# Altium PCB PCB7b.PcbDoc (part 2 of 2)
Units mm, origin at the board's own origin, x right, y up, seen from the top; angles counter-clockwise.
Board outline 80 x 75 mm, 4 copper layers (Top Layer, Ground, Power, Bottom Layer), stack 0.603 mm thick; 87 components, 98 nets, 356 pads, 223 vias.
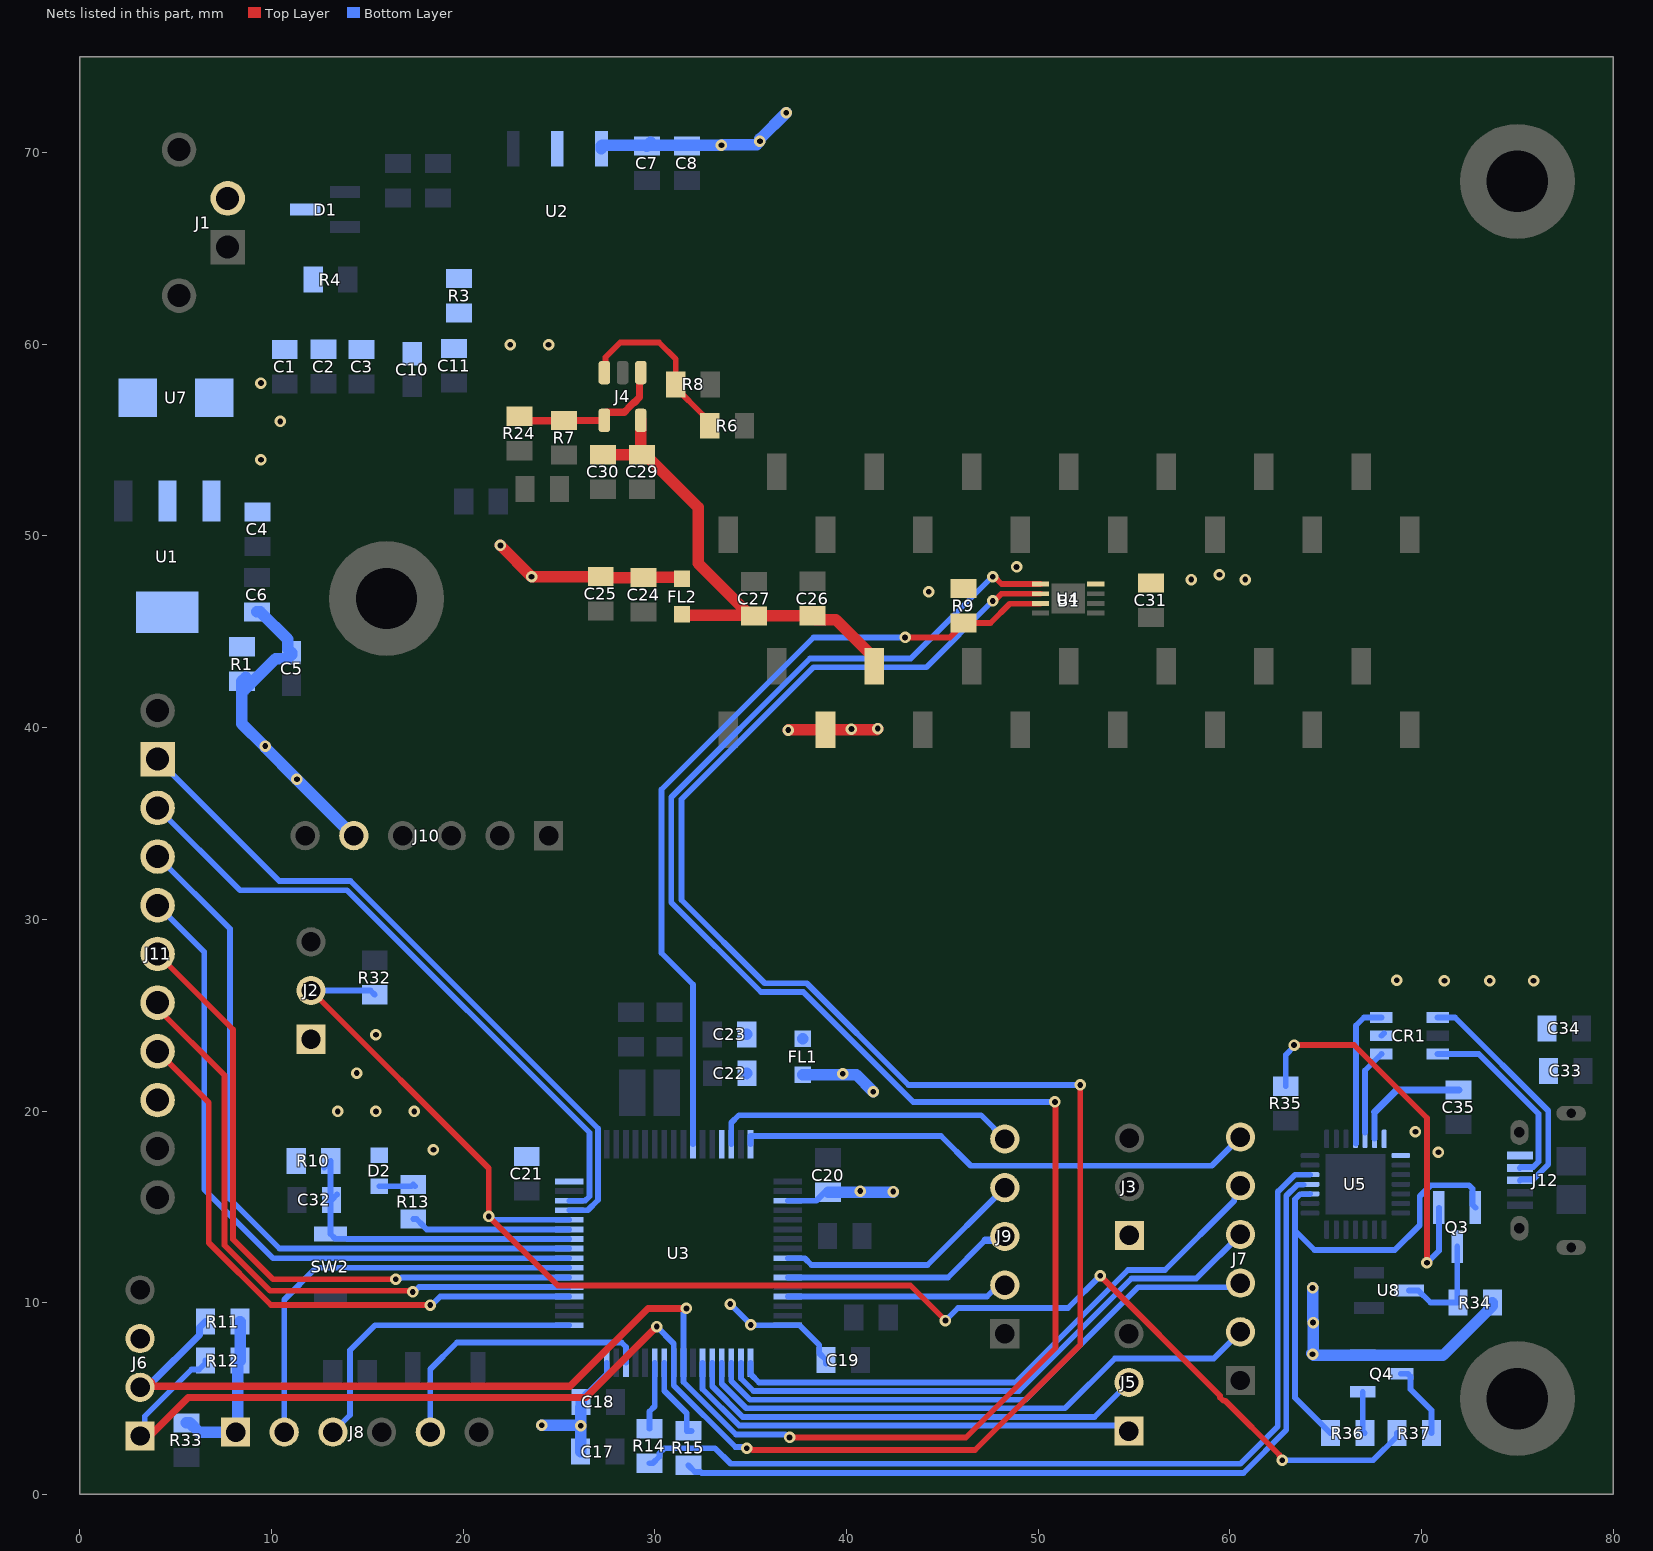
[diagram p4: the nets of this part, all layers, seen from the top]

## Via types
v1: diameter 0.6, hole 0.3, Top Layer to Bottom Layer, 223 vias

## Nets (pads, with @x,y where several pads share a name; then routed paths per layer and width w, separated by ;. In a path a pad name is that pad's centre, name@x,y a point inside that pad or via, vN(x,y) a via of type N, cw(c..) or ccw(c..) an arc to the next point about the centre after c; other vN are vias at no path point) (continued)
NetC32_1: C32.1 R10.1 SW2.2 U3.58 | length 17.3
  Bottom Layer w0.3: R10.1@12.751,17.058 R10.1@13.081,17.388 ; R10.1@13.092,17.399 R10.1@13.081,17.388 ; C32.1@13.132,15.356 C32.1@13.143,15.367 C32.1@13.426,15.65 ; U3.58@25.542,13.323 13.957,13.323 13.941,13.339 13.331,13.339 SW2.2@13.081,13.589 R10.1@13.081,17.388
NetC35_1: C35.1 U5.6 | length 6.3
  Bottom Layer w0.3: U5.6@67.551,18.55 67.551,19.951
  Bottom Layer w0.381: 67.551,19.951 68.693,21.093 C35.1@71.933,21.093
NetC44_1: 
NetC48_1: 
NetC48_2: 
NetCR1_1: CR1.1 J12.3 | length 12.4
  Bottom Layer w0.3: CR1.1@70.833,24.877 71.745,24.877 76.609,20.012 76.609,17.215 75.827,16.433 75.178,16.433 J12.3@75.128,16.383
NetCR1_3: CR1.3 J12.2 | length 10.2
  Bottom Layer w0.3: CR1.3@70.833,22.977 72.984,22.977 76.103,19.858 76.103,17.359 75.827,17.083 75.178,17.083 J12.2@75.128,17.033
NetCR1_4: CR1.4 U5.5 | length 4.4
  Bottom Layer w0.3: U5.5@67.051,18.885 67.051,22.12 CR1.4@67.908,22.977
NetCR1_6: CR1.6 U5.4 | length 7.7
  Bottom Layer w0.3: U5.4@66.576,18.296 66.576,24.46 66.993,24.877 CR1.6@67.908,24.877
NetD1_3: D1.3 R3.1 R4.1 U2.2 U2.4
NetD2_C: D2.C R13.2 | length 1.9
  Bottom Layer w0.3: D2.C@15.621,16.078 17.312,16.078 R13.2@17.399,16.165 R13.2@17.489,16.075
NetJ1_2: J1.2 U7.2
NetJ2_02: J2.02 R32.1 R37.1 U3.60 | length 78.7
  Top Layer w0.3: J2.02@12.065,26.289 21.336,17.018 v1(21.336,14.503) 24.943,10.897 43.332,10.897 v1(45.161,9.068) ; v1(53.238,11.405) 59.492,5.151 59.492,5.057 59.667,4.882 59.761,4.882 62.588,2.055 62.588,2.009 62.738,1.859 v1(62.738,1.778)
  Bottom Layer w0.3: J2.02@12.065,26.289 15.167,26.289 R32.1@15.392,26.064 ; v1(21.336,14.503) 21.417,14.503 21.598,14.323 U3.60@25.542,14.323 ; v1(45.161,9.068) 45.822,9.728 51.562,9.728 v1(53.238,11.405) ; v1(62.738,1.778) 67.474,1.778 68.721,3.025 R37.1@68.721,3.2
NetJ4_1: J4.1 J4.4 R7.1 R24.1 | length 8.1
  Top Layer w0.381: R24.1@23.152,56.018 R7.1@25.273,56.018 25.28,56.025 27.364,56.025 J4.4@27.371,56.032 27.371,56.342 27.48,56.452 28.407,56.452 28.631,56.675 28.631,56.695 28.918,56.983 28.949,56.983 29.2,57.233 29.2,58.451 J4.1@29.271,58.522
NetJ4_3: J4.3 R6.2 R8.1 | length 9.4
  Top Layer w0.3: J4.3@27.371,58.522 27.425,58.576 27.425,59.327 28.194,60.096 30.226,60.096 31.093,59.229 R8.1@31.093,57.912 31.093,57.737 32.521,56.309 32.521,56.103 R6.2@32.871,55.753
NetJ5_01: J5.01 U3.38 | length 24.5
  Bottom Layer w0.3: U3.38@32.492,6.873 32.492,5.503 34.403,3.592 54.447,3.592 J5.01@54.737,3.302
NetJ5_02: J5.02 U3.37 | length 24.4
  Bottom Layer w0.3: U3.37@32.992,6.873 32.992,5.64 34.59,4.042 52.937,4.042 J5.02@54.737,5.842
NetJ6_01: J6.01 R12.1 U3.41 U4.2 | length 129.4
  Top Layer w0.3: v1(34.798,2.413) 34.855,2.356 35.068,2.356 35.112,2.311 46.711,2.311 52.197,7.798 v1(52.197,21.361) ; v1(47.624,46.611) 47.705,46.611 48.079,46.985 U4.2@50.12,46.985
  Top Layer w0.381: J6.01@3.708,3.099 5.665,5.056 26.397,5.056 v1(30.099,8.758)
  Bottom Layer w0.3: J6.01@3.15,3.048 3.398,3.297 3.398,4.084 5.828,6.514 6.218,6.514 6.568,6.864 R12.1@6.568,6.985 ; v1(30.099,8.758) 30.992,7.865 U3.41@30.992,6.873 30.992,5.681 34.203,2.47 34.741,2.47 v1(34.798,2.413) ; v1(47.624,46.611) 44.168,43.155 38.278,43.155 31.394,36.271 31.394,31.013 35.738,26.67 37.922,26.67 43.231,21.361 v1(52.197,21.361)
NetJ6_02: J6.02 R11.1 U3.40 U4.1 | length 127.5
  Top Layer w0.3: v1(37.033,2.972) 46.228,2.972 50.902,7.645 50.902,20.447 v1(50.876,20.472) ; v1(47.624,47.879) 47.705,47.879 48.093,47.492 50.114,47.492 U4.1@50.12,47.485
  Top Layer w0.381: J6.02@3.708,5.639 25.578,5.639 29.642,9.703 v1(31.648,9.703) ; J6.02@3.708,5.893 J6.02@3.744,5.858
  Bottom Layer w0.3: U3.40@31.492,6.873 31.492,5.867 34.235,3.124 36.8,3.124 36.952,2.972 v1(37.033,2.972) ; U3.40@31.492,6.883 31.492,9.465 31.648,9.622 v1(31.648,9.703) ; v1(47.624,47.879) 43.356,43.612 38.099,43.612 30.861,36.374 30.861,30.886 35.535,26.213 37.743,26.213 43.483,20.472 v1(50.876,20.472)
  Bottom Layer w0.381: J6.02@3.708,5.639 3.708,5.782 6.247,8.321 6.247,8.707 R11.1@6.557,9.017
NetJ7_02: J7.02 U3.36 | length 30.4
  Bottom Layer w0.3: U3.36@33.492,6.873 33.492,5.776 34.776,4.492 51.406,4.492 54,7.087 59.157,7.087 J7.02@60.608,8.538
NetJ7_03: J7.03 U3.35 | length 30.4
  Bottom Layer w0.3: U3.35@33.992,6.873 33.992,5.912 34.962,4.942 49.341,4.942 55.209,10.809 60.416,10.809 J7.03@60.554,10.947
NetJ7_04: J7.04 U3.34 | length 30.6
  Bottom Layer w0.3: U3.34@34.492,6.873 34.492,6.049 35.149,5.392 49.005,5.392 54.873,11.259 58.249,11.259 J7.04@60.616,13.626
NetJ7_05: J7.05 U3.33 | length 30.9
  Bottom Layer w0.3: U3.33@34.992,6.873 34.992,6.273 35.002,6.273 35.433,5.842 48.819,5.842 54.686,11.709 56.617,11.709 60.225,15.318 60.225,15.444 60.554,15.772 J7.05@60.554,16.104
NetJ7_06: J7.06 U3.16 | length 27.5
  Bottom Layer w0.3: U3.16@34.992,18.273 34.992,18.694 44.933,18.694 46.482,17.145 59.055,17.145 J7.06@60.702,18.792
NetJ8_02: J8.02 U3.55 | length 22.5
  Bottom Layer w0.3: J8.02@10.668,3.251 10.668,10.16 12.331,11.823 U3.55@25.542,11.823
NetJ8_03: J8.03 U3.49 | length 16.6
  Bottom Layer w0.3: J8.03@13.208,3.251 14.097,4.14 14.097,6.337 14.095,6.338 14.095,7.517 15.402,8.823 U3.49@25.542,8.823
NetJ8_05: J8.05 U3.46 | length 15
  Bottom Layer w0.3: J8.05@18.288,3.251 18.288,6.528 19.683,7.923 28.266,7.923 28.492,7.697 U3.46@28.492,6.873
NetJ9_02: J9.02 U3.29 | length 11.6
  Bottom Layer w0.3: U3.29@36.942,10.323 47.33,10.323 47.929,10.922 J9.02@48.26,10.922
NetJ9_03: J9.03 U3.27 | length 12.2
  Bottom Layer w0.3: U3.27@36.942,11.323 45.295,11.323 47.231,13.259
  Bottom Layer w0.381: 47.231,13.259 48.057,13.259 J9.03@48.26,13.462
NetJ9_04: J9.04 U3.25 | length 13.1
  Bottom Layer w0.3: U3.25@36.942,12.323 37.818,12.323 38.177,11.964 44.222,11.964 J9.04@48.26,16.002
NetJ9_05: J9.05 U3.14 | length 16.1
  Bottom Layer w0.3: U3.14@33.992,18.273 33.992,19.387 34.392,19.787 47.015,19.787 J9.05@48.26,18.542
NetJ11_1: J11.1 U3.61 | length 36.4
  Bottom Layer w0.3: J11.1@4.064,38.354 10.414,32.004 14.122,32.004 27.042,19.084 27.042,15.362 26.503,14.823 U3.61@25.542,14.823
NetJ11_2: J11.2 U3.62 | length 34
  Bottom Layer w0.3: J11.2@4.064,35.814 8.357,31.521 13.945,31.521 26.592,18.874 26.592,15.549 26.366,15.323 U3.62@25.542,15.323
NetJ11_3: J11.3 U3.57 | length 38.2
  Bottom Layer w0.3: J11.3@4.064,33.274 7.833,29.505 7.833,15.408 10.418,12.823 U3.57@25.542,12.823
NetJ11_4: J11.4 U3.56 | length 36.4
  Bottom Layer w0.3: J11.4@4.064,30.734 6.494,28.304 6.494,15.909 10.08,12.323 U3.56@25.542,12.323
NetJ11_5: J11.5 U3.54 | length 35
  Top Layer w0.3: J11.5@4.064,28.194 8.001,24.257 8.001,13.31 10.088,11.223 v1(16.485,11.223)
  Bottom Layer w0.3: v1(16.485,11.223) 16.542,11.28 16.754,11.28 16.797,11.323 U3.54@25.542,11.323
NetJ11_6: J11.6 U3.53 | length 33.2
  Top Layer w0.3: J11.6@4.064,25.654 4.064,25.355 7.551,21.868 7.551,12.998 9.926,10.623 17.317,10.623 v1(17.374,10.566)
  Bottom Layer w0.3: v1(17.374,10.566) 17.443,10.566 17.699,10.823 U3.53@25.542,10.823
NetJ11_7: J11.7 U3.52 | length 31.4
  Top Layer w0.3: J11.7@4.064,23.114 6.731,20.447 6.731,13.132 9.982,9.881 v1(18.288,9.881)
  Bottom Layer w0.3: v1(18.288,9.881) 18.369,9.881 18.812,10.323 U3.52@25.542,10.323
NetJ13_1: 
NetJ15_1: 
NetJ15_2: 
NetJ15_3: 
NetJ15_4: 
NetJ17_1: 
NetJ17_2: 
NetJ17_3: 
NetJ17_4: 
NetP1_2: 
NetP1_3: 
NetP1_4: 
NetP2_2: 
NetP2_3: 
NetP2_4: 
NetQ2_1: 
NetQ3_1: Q3.1 R35.2 | length 21.5
  Top Layer w0.3: v1(63.348,23.444) 66.472,23.444 70.282,19.634 v1(70.282,12.09)
  Bottom Layer w0.3: R35.2@62.916,21.296 62.916,22.931 63.348,23.363 v1(63.348,23.444) ; v1(70.282,12.09) 70.904,12.713 Q3.1@70.904,14.961
NetQ3_3: Q3.3 R34.1 U8.3 | length 5.8
  Bottom Layer w0.3: U8.3@69.342,10.643 69.825,10.643 70.46,10.008 R34.1@71.896,10.008 71.857,10.047 Q3.3@71.857,12.929
NetQ4_1: Q4.1 R36.2 | length 2.2
  Bottom Layer w0.3: Q4.1@66.93,5.349 66.93,3.312 R36.2@67.042,3.2
NetQ4_3: Q4.3 R37.2 | length 4
  Bottom Layer w0.3: Q4.3@68.91,6.299 69.28,6.299 69.43,6.149 69.43,5.483 70.521,4.391 R37.2@70.521,3.2
NetR1_1: R1.1 U1.2 U1.4
NetR9_1: R9.1 U3.10 U4.3 | length 42.8
  Top Layer w0.3: v1(43.053,44.704) 45.385,44.704 R9.1@46.016,45.335 ; R9.1@46.101,45.455 47.512,45.455 48.52,46.462 U4.3@50.12,46.462
  Bottom Layer w0.3: U3.10@31.992,18.273 31.992,26.606 30.353,28.245 30.353,36.779 38.278,44.704 v1(43.053,44.704)
NetR13_1: R13.1 U3.59 | length 8.4
  Bottom Layer w0.3: R13.1@17.399,14.365 17.574,14.365 17.924,14.015 17.924,13.999 18.1,13.823 U3.59@25.542,13.823
NetR14_1: R14.1 U5.26 | length 48.6
  Bottom Layer w0.3: R14.1@29.718,1.629 29.893,1.629 30.243,1.979 30.243,2.154 30.502,2.413 33.147,2.413 33.96,1.6 60.554,1.6 62.496,3.543 62.496,15.785 62.636,15.926 ; 62.639,15.926 63.393,16.68 U5.26@64.181,16.68
NetR14_2: R14.2 U3.43 | length 3.6
  Bottom Layer w0.3: R14.2@29.718,3.429 29.718,4.329 29.992,4.603 U3.43@29.992,6.873
NetR15_1: R15.1 U3.42 | length 4.3
  Bottom Layer w0.3: U3.42@30.492,6.873 30.492,5.412 31.671,4.233 31.671,3.313 R15.1@31.914,3.313
NetR15_2: R15.2 U5.25 | length 45.7
  Bottom Layer w0.3: R15.2@31.75,1.524 32.1,1.174 32.394,1.174 32.451,1.118 60.707,1.118 62.946,3.356 62.946,15.582 63.523,16.16 U5.25@63.846,16.16
NetR20_1: 
NRTS_USB: Q3.2 R36.1 U5.24 | length 26.9
  Bottom Layer w0.3: U5.24@64.181,15.68 64.161,15.66 63.66,15.66 63.396,15.396 63.396,13.769 ; R36.1@65.242,3.2 63.396,5.046 63.396,13.769 ; Q3.2@72.809,14.961 72.654,15.115 72.654,15.948 72.479,16.124 70.475,16.124 69.901,15.55 69.901,14.046 68.605,12.751 64.414,12.751 63.396,13.769
PGND2: 
VBB2: 
VCC: C1.1 C2.1 C3.1 C4.1 C7.1 C8.1 U1.3 U2.3 U7.1 | length 10.9
  Bottom Layer w0.6: U2.3@27.216,70.206 U2.3@27.216,70.301 ; U2.3@27.246,70.331 U2.3@27.216,70.301 ; C7.1@29.591,70.344 C7.1@29.631,70.383 ; C7.1@29.791,70.544 C7.1@29.631,70.383 ; v1(36.855,72.085) 35.484,70.714 v1(35.484,70.587) 35.317,70.42 33.514,70.42 v1(33.477,70.383) C7.1@29.631,70.383 ; U2.3@27.216,70.301 27.216,70.353 27.246,70.383 C7.1@29.631,70.383
  other v1: 9.455,53.979 10.455,55.979 9.455,57.979
VDD: C5.1 C6.1 C17.1 C18.1 C19.1 C20.1 C21.1 C31.1 D2.A FL1.2 J2.01 J3.01 J6.03 J8.01 J10.05 J11.8 Q4.2 R1.2 R9.2 R10.2 R11.2 R12.2 R33.2 R34.2 U3.19 U3.32 U3.48 U3.64 U4.8 | length 64.2
  Bottom Layer w0.3: C18.1@26.151,4.826 26.151,5.001 26.501,5.351 26.57,5.351 27.492,6.273 U3.48@27.492,6.873 ; v1(33.934,9.931) 35.043,8.823 U3.32@36.942,8.823 37.542,8.823 38.577,7.788 38.577,7.36 C19.1@38.927,7.01 C19.1@38.927,6.835 ; U3.19@36.942,15.323 38.425,15.323 38.865,15.762 C20.1@39.04,15.762
  Bottom Layer w0.6: R33.2@5.563,3.734 5.738,3.734 6.22,3.251 J8.01@8.128,3.251 8.248,3.371 8.248,6.865 R12.2@8.368,6.985 8.362,6.99 8.362,9.012 R11.2@8.357,9.017 ; R1.2@8.574,41.95 10.228,43.603 10.849,43.603 11.049,43.804 C5.1@11.049,43.908 10.849,44.108 10.849,44.611 C6.1@9.421,46.039 ; R1.2@8.611,42.244 8.658,42.621 R1.2@8.458,42.421 8.458,41.95 8.458,40.208 9.627,39.04 v1(9.677,39.04) 9.677,38.964 v1(11.328,37.313) 14.275,34.366 J10.05@14.3,34.366 ; v1(24.105,3.607) v1@26.136,3.607 ; C17.1@26.126,2.281 C17.1@26.126,2.235 v1(26.137,3.581) v1@26.136,3.607 ; C18.1@26.151,4.826 26.142,4.451 v1@26.136,3.607 ; FL1.2@37.719,21.905 40.503,21.905 v1(41.402,21.006) ; C20.1@39.04,15.762 v1@42.443,15.762 ; v1@64.262,7.366 v1(64.313,7.315) ; v1(64.313,10.77) 64.313,9.093 64.338,9.068 v1(64.338,8.966) 64.338,7.442 64.313,7.417 v1(64.313,7.315) ; R34.2@73.696,10.008 73.696,9.833 71.113,7.249 Q4.2@66.94,7.249 64.379,7.249 v1(64.313,7.315) ; C6.1@9.421,46.039 C6.1@9.246,46.039 C6.1@9.421,46.039
  other v1: 35.001,8.839 42.443,15.799 40.716,15.824 18.455,17.979 13.455,19.979 15.455,19.979 17.455,19.979 39.802,21.946 14.455,21.979 15.455,23.979 44.298,47.092 57.988,47.727 60.808,47.727 59.455,47.979 48.87,48.387
VDD2: 
VDDA: C22.1 C23.1 FL1.1 U3.13 | length 0.2
  Bottom Layer w0.3: C22.1@34.809,21.796 C22.1@34.809,21.971
  Bottom Layer w0.6: C23.1@34.798,24.003 C23.1@34.804,23.997 ; C22.1@34.804,21.976 C22.1@34.809,21.971 ; FL1.1@37.719,23.764 FL1.1@37.719,23.768
VTCD: B1.1 C10.1 C11.1 C24.1 C25.1 FL2.2 R3.2 | length 14.9
  Top Layer w0.6: v1(21.946,49.505) v1(23.571,47.879) C25.1@27.178,47.879 27.234,47.823 C24.1@29.413,47.823 ; C24.1@29.413,47.839 31.348,47.839 FL2.2@31.42,47.767 ; v1(36.957,39.878) 36.977,39.898 B1.1@38.906,39.898 41.575,39.898 v1(41.631,39.954)
  other v1: 40.259,39.929 22.455,59.979 24.455,59.979
VTCDA: B1.2 C26.1 C27.1 C29.1 C30.1 FL2.1 J4.5 | length 26.3
  Top Layer w0.6: C30.1@27.305,54.24 C29.1@29.337,54.24 ; J4.5@29.271,56.032 29.271,54.306 C29.1@29.337,54.24 ; FL2.1@31.42,45.908 31.461,45.867 C27.1@34.962,45.867 ; C26.1@38.212,45.821 C26.1@38.222,45.831 ; B1.2@41.446,43.198 41.446,43.638 39.448,45.636 38.427,45.636 C26.1@38.232,45.831 ; C29.1@29.337,54.24 29.512,54.24 32.258,51.494 32.258,48.571 C27.1@34.962,45.867 ; C27.1@34.962,45.867 35.004,45.825 C27.1@35.179,45.825 ; C27.1@34.962,45.867 35.137,45.867 C27.1@35.179,45.825 ; C27.1@35.179,45.825 35.184,45.831 C26.1@38.222,45.831 ; C26.1@38.222,45.831 C26.1@38.227,45.836 C26.1@38.232,45.831 ; C26.1@38.222,45.831 C26.1@38.232,45.831
VUSB: C33.1 C34.1 CR1.5 J12.1 U5.7 U5.8 | length 0.2
  Bottom Layer w0.3: CR1.5@67.908,23.927 CR1.5@68.037,24.056
  other v1: 70.882,17.856 69.682,18.923 71.196,26.797 73.558,26.797 75.844,26.797 68.707,26.822
pads on no net: C28.1 C28.2 D1.2 J12.4 U3.1 U3.2 U3.3 U3.4 U3.8 U3.9 U3.11 U3.23 U3.24 U3.39 U3.44 U3.45 U3.50 U3.51 U5.1 U5.2 U5.9 U5.10 U5.11 U5.12 U5.13 U5.14 U5.15 U5.16 U5.17 U5.18 U5.19 U5.20 U5.21 U5.22 U5.23 U5.27 U8.2

## Polygon pours and split planes (outlines as drawn)
GND on Bottom Layer "GND_L04_P047" (solid, remove dead copper, pour order 47): 0,-0.025 0.025,-0.051 80.061,-0.051 80.061,75.006 79.985,75.082 79.883,74.981 0.025,74.981
AGND on Bottom Layer "AGND_L04_P027" (solid, remove dead copper, pour order 27): 21.768,18.517 24.511,18.517 26.619,16.408 26.619,14.605 26.619,13.665 26.683,13.602 28.143,12.141 42.037,12.141 42.037,15.088 30.124,15.088 21.59,23.724 21.768,35.865 25.222,35.865 28.092,38.735 28.143,38.684 37.694,38.684 37.694,37.211 79.578,37.211 79.578,56.337 37.296,56.337 34.315,59.318 34.315,60.63 25.298,60.63 25.298,58.725 21.107,58.725 21.107,39.04 17.247,35.179 17.247,23.038
VDD on Bottom Layer "VDD_L04_P039" (solid, remove dead copper, pour order 39): 10.211,25.07 18.263,25.07 26.467,16.866 26.467,16.078 10.211,16.078
NetD1_3 on Bottom Layer "NETD1_3_L04_P035" (solid, remove dead copper, pour order 35): 13.31,62.205 13.31,71.399 23.444,71.399 23.444,65.557 18.618,65.557 18.618,62.118 27.28,62.118 27.28,72.746 10.16,72.746 10.16,62.205
NetR1_1 on Bottom Layer "NETR1_1_L04_P037" (solid, remove dead copper, pour order 37): 1.372,54.026 5.867,54.026 5.867,50.114 8.204,50.114 8.204,45.187 9.881,45.187 9.881,43.205 1.372,43.205 1.372,49.2
VTCD on Bottom Layer "VTCD_L04_P036" (solid, remove dead copper, pour order 36): 18.872,62.306 18.898,62.281 27.229,62.281 27.229,60.02 27.229,58.877 21.107,58.877 20.93,58.699 20.904,58.725 16.231,58.725 16.205,62.281 16.205,61.443 17.043,62.281 18.868,62.281
NetC9_1 on Bottom Layer "NETC9_1_L04_P044" (solid, remove dead copper, pour order 44): 23.444,71.399 23.444,65.557 18.618,65.557 18.593,65.532 18.593,62.357 13.462,62.357 13.31,62.205 12.827,62.687 12.827,70.917 13.31,71.399
VCC on Bottom Layer "VCC_L04_P033" (solid, remove dead copper, pour order 33): 5.994,60.731 5.994,50.368 10.82,50.368 10.82,55.956 11.049,56.185 15.697,56.185 15.697,60.376 15.342,60.731
VUSB on Bottom Layer "VUSB_L04_P042" (solid, remove dead copper, pour order 42): 66.983,24.359 66.983,23.444 67.008,23.419 69.142,23.419 69.142,25.044 69.701,25.603 74.654,25.603 74.654,22.454 76.178,20.93 77.651,20.93 77.651,26.289 76.355,27.584 68.453,27.584 67.056,26.187
AGND on Bottom Layer "AGND_L04_P024" (solid, remove dead copper, pour order 24): 42.037,15.323 42.037,12.141 30.963,12.141 30.963,15.323
VUSB on Bottom Layer "VUSB_L04_P041" (solid, remove dead copper, pour order 41): 72.876,18.542 75.965,18.542 75.965,17.221 71.707,17.221 68.253,17.221 68.253,17.882 68.227,17.907 67.796,17.907 67.796,19.761 71.174,19.761 71.174,18.542
AGND on Bottom Layer "AGND_L04_P025" (none, remove dead copper, pour order 25): 17.259,30.886 17.361,30.785 21.577,30.785 21.577,33.706 21.603,33.731 21.653,33.68 22.974,33.68 28.48,39.186 28.316,52.934 21.069,52.934 21.069,38.176 17.239,34.346 17.239,32.048
VDDA on Bottom Layer "VDDA_L04_P038" (solid, remove dead copper, pour order 38): 33.223,25.171 33.223,17.45 33.743,17.45 33.743,20.549 37.084,20.549 37.084,23.292 39.472,23.292 39.472,25.832 33.884,25.832
NetJ1_2 on Bottom Layer "NETJ1_2_L04_P032" (solid, remove dead copper, pour order 32): 0.918,70.155 9.068,70.155 9.068,64.897 5.639,64.897 5.639,55.347 0.965,55.347
GND on Top Layer "GND_L01_P048" (solid, remove dead copper, pour order 48): 0,-0.025 0.025,-0.051 80.061,-0.051 80.061,75.006 79.985,75.082 79.883,74.981 0.025,74.981
VDD on Top Layer "VDD_L01_P026" (solid, remove dead copper, pour order 26): 61.468,46.965 61.468,49.073 43.648,49.073 43.648,46.431 43.693,46.386 47.356,46.386 47.356,47.625 52.466,47.625 52.466,46.965
AGND on Top Layer "AGND_L01_P046" (solid, remove dead copper, pour order 46): 79.502,56.21 79.426,56.286 37.871,56.286 37.871,57.023 34.138,60.757 25.298,60.757 25.298,58.75 25.146,58.598 20.98,58.598 20.98,39.167 16.916,35.103 17.043,34.976 17.043,22.936 28.143,11.836 42.367,11.836 42.367,15.392 42.494,15.519 42.367,15.646 29.693,15.646 29.693,15.672 21.641,23.724 21.742,23.825 21.742,34.061 22.047,34.061 24.816,36.83 27,36.83 79.527,36.83 79.553,36.855
GND on Top Layer "GND_L01_P000" (solid, remove dead copper, pour order 23): 61.468,46.965 54.534,46.965 54.534,47.168 52.466,47.168 52.466,47.574 50.648,47.574 50.648,46.228 48.311,46.228 48.311,44.018 61.468,44.018
VTCD on Power (split plane): 25.886,70.436 25.886,68.553 25.892,68.494 25.909,68.438 25.937,68.385 25.974,68.34 34.192,60.122 34.192,59.901 34.196,59.861 34.198,59.821 34.283,59.288 34.293,59.249 34.301,59.21 34.468,58.697 34.484,58.66 34.499,58.623 34.743,58.142 34.765,58.109 34.785,58.074 35.102,57.638 35.129,57.608 35.154,57.577 35.536,57.195 35.567,57.17 35.597,57.143 36.033,56.826 36.068,56.806 36.101,56.784 36.582,56.539 36.619,56.525 36.656,56.509 37.169,56.342 37.208,56.333 37.247,56.323 37.779,56.239 37.819,56.236 37.859,56.232 38.128,56.232 38.129,56.232 38.13,56.232 43.006,56.232 43.006,40.384 41.404,38.782 30.859,38.782 20.508,49.134 17.892,51.75 17.846,51.787 17.794,51.815 17.737,51.832 17.678,51.838 16.303,51.838 16.303,60.325 16.298,60.384 16.281,60.44 16.253,60.492 16.215,60.538 15.453,61.3 15.407,61.338 15.355,61.366 15.299,61.383 15.24,61.388 11.809,61.388 10.207,62.99 10.207,70.284 11.377,71.454 24.869,71.454
VUSB on Power (split plane): 79.49,0.51 65.703,0.51 65.716,0.847 65.716,0.853 65.717,0.859 65.717,29.362 79.49,29.362
VCC on Power (split plane): 79.49,64.108 37.86,64.108 37.82,64.104 37.78,64.102 37.248,64.017 37.209,64.007 37.17,63.998 36.657,63.832 36.62,63.816 36.583,63.801 36.102,63.556 36.068,63.535 36.034,63.514 35.597,63.197 35.567,63.171 35.536,63.145 35.155,62.764 35.13,62.733 35.103,62.703 34.786,62.267 34.766,62.232 34.744,62.198 34.499,61.718 34.484,61.68 34.468,61.644 34.302,61.131 34.293,61.092 34.283,61.053 34.26,60.907 26.489,68.678 26.489,70.561 26.483,70.62 26.466,70.677 26.438,70.729 26.401,70.774 25.207,71.968 25.161,72.006 25.109,72.034 25.052,72.051 24.994,72.056 11.252,72.056 11.193,72.051 11.137,72.034 11.085,72.006 11.039,71.968 9.693,70.622 9.655,70.576 9.627,70.524 9.61,70.468 9.605,70.409 9.605,62.865 9.61,62.806 9.627,62.75 9.655,62.698 9.693,62.652 11.471,60.874 11.517,60.836 11.569,60.808 11.625,60.791 11.684,60.786 15.115,60.786 15.701,60.2 15.701,51.838 14.656,51.838 14.597,51.832 14.54,51.815 14.488,51.787 14.443,51.75 10.975,48.282 0.51,48.282 0.51,74.49 79.49,74.49
VDD on Power (split plane): 79.49,37.238 38.13,37.238 37.86,37.238 37.82,37.234 37.78,37.232 37.248,37.147 37.209,37.137 37.17,37.128 36.657,36.962 36.62,36.946 36.583,36.931 36.102,36.686 36.068,36.665 36.034,36.644 35.597,36.327 35.567,36.301 35.536,36.275 35.155,35.894 35.129,35.863 35.103,35.833 34.786,35.396 34.765,35.362 34.744,35.328 34.499,34.847 34.484,34.81 34.468,34.773 34.302,34.26 34.293,34.221 34.283,34.182 34.198,33.65 34.196,33.61 34.192,33.57 34.192,33.03 34.196,32.99 34.198,32.95 34.283,32.418 34.293,32.379 34.302,32.34 34.468,31.827 34.484,31.79 34.499,31.753 34.744,31.272 34.765,31.238 34.786,31.204 35.103,30.767 35.129,30.737 35.155,30.706 35.536,30.325 35.567,30.299 35.597,30.273 36.034,29.956 36.068,29.935 36.102,29.914 36.583,29.669 36.62,29.654 36.657,29.638 37.17,29.472 37.209,29.463 37.248,29.453 37.78,29.368 37.82,29.366 37.86,29.362 65.114,29.362 65.114,0.865 65.1,0.51 0.51,0.51 0.51,47.679 11.1,47.679 11.159,47.685 11.215,47.702 11.267,47.73 11.313,47.767 14.781,51.235 17.554,51.235 20.081,48.707 30.521,38.268 30.567,38.23 30.619,38.202 30.675,38.185 30.734,38.18 41.529,38.18 41.588,38.185 41.644,38.202 41.696,38.23 41.742,38.268 43.52,40.046 43.558,40.092 43.586,40.144 43.603,40.2 43.608,40.259 43.608,56.232 79.49,56.232
GND on Ground (split plane): 79.49,64.108 37.86,64.108 37.82,64.104 37.78,64.102 37.248,64.017 37.209,64.007 37.17,63.998 36.657,63.832 36.62,63.816 36.583,63.801 36.102,63.556 36.068,63.535 36.034,63.514 35.597,63.197 35.567,63.171 35.536,63.145 35.155,62.764 35.13,62.733 35.103,62.703 34.786,62.267 34.766,62.232 34.744,62.198 34.499,61.718 34.484,61.68 34.468,61.644 34.302,61.131 34.293,61.092 34.283,61.053 34.198,60.52 34.196,60.48 34.193,60.449 21.057,60.449 20.998,60.443 20.941,60.426 20.889,60.398 20.843,60.36 20.806,60.315 20.778,60.263 20.761,60.206 20.755,60.147 20.755,48.463 20.761,48.404 20.778,48.348 20.806,48.296 20.843,48.25 20.889,48.213 20.941,48.185 20.998,48.168 21.057,48.162 60.938,48.162 60.938,45.005 26.213,45.005 26.154,45 26.097,44.983 26.045,44.955 26,44.917 25.962,44.871 25.934,44.819 25.917,44.763 25.911,44.704 25.911,42.517 17.16,33.767 17.123,33.721 17.095,33.669 17.078,33.612 17.072,33.553 17.072,22.301 17.078,22.242 17.095,22.186 17.123,22.134 17.16,22.088 27.143,12.106 27.188,12.068 27.24,12.04 27.297,12.023 27.356,12.018 41.783,12.018 41.842,12.023 41.898,12.04 41.95,12.068 41.996,12.106 42.034,12.152 42.062,12.204 42.079,12.26 42.084,12.319 42.084,15.062 42.079,15.121 42.062,15.178 42.034,15.23 41.996,15.275 41.95,15.313 41.898,15.341 41.842,15.358 41.783,15.364 30.63,15.364 25.117,20.877 25.117,26.292 31.066,26.292 32.527,24.831 32.573,24.794 32.625,24.766 32.682,24.749 32.741,24.743 40.081,24.743 40.14,24.749 40.197,24.766 40.249,24.794 40.294,24.831 44.825,29.362 79.49,29.362 79.49,0.51 0.51,0.51 0.51,74.49 79.49,74.49
AGND on Ground (split plane): 157 vertices, not listed, extent 17.675,12.62 79.49,59.846

## Other copper
Ground (plane layer: these items are gaps in the copper):
  lines w0.6: 34.871,60.686 34.332,60.147 21.057,60.147 21.057,48.463 61.239,48.463 61.239,44.704 58.09,44.704 26.213,44.704 26.213,42.393 17.374,33.553 17.374,22.301 27.356,12.319 41.783,12.319 41.783,15.062 30.505,15.062 24.816,20.752 24.816,26.594 31.191,26.594 32.741,25.044 40.081,25.044 44.933,29.896
Power (plane layer: these items are gaps in the copper):
  lines w0.6: -0.051,47.981 11.1,47.981 14.656,51.537 16.739,51.537 17.678,51.537 20.295,48.92 30.734,38.481 41.529,38.481 43.307,40.259 43.307,56.642 ; 16.002,51.638 16.002,60.325 15.24,61.087 11.684,61.087 9.906,62.865 9.906,70.409 11.252,71.755 24.994,71.755 26.187,70.561 26.187,68.553 34.83,59.91 ; 65.38,-0.051 65.415,0.859 65.415,29.835 65.405,29.845

## Silkscreen, mask and mechanical layers (free items; w line width, h text height)
Bottom Overlay:
  circle w0.1: c1.118,72.288 r0.521
  circle w0.1: c1.143,60.452 r0.521
  lines w0.1: 0.94,43.028 7.29,43.028 7.29,44.221 0.94,44.221 0.94,43.028 ; 1.93,71.628 9.423,71.628 9.423,72.822 1.93,72.822 1.93,71.628 ; 2.108,12.446 4.242,12.446 4.242,13.64 2.108,13.64 2.108,12.446 ; 8.733,32.893 8.733,35.773 9.927,35.773 9.927,32.893 8.733,32.893 ; 9.017,24.536 9.017,28.042 10.211,28.042 10.211,24.536 9.017,24.536 ; 10.008,10.033 10.008,13.995 11.201,13.995 11.201,10.033 10.008,10.033 ; 16.688,18.059 16.688,20.345 17.882,20.345 17.882,18.059 16.688,18.059 ; 22.657,2.21 22.657,4.343 23.851,4.343 23.851,2.21 22.657,2.21 ; 45.237,11.049 45.237,15.875 46.431,15.875 46.431,11.049 45.237,11.049 ; 51.918,2.921 51.918,8.687 53.086,8.687 53.086,2.921 51.918,2.921 ; 53.264,20.295 56.286,20.295 56.286,21.488 53.264,21.488 53.264,20.295 ; 59.563,20.32 61.493,20.32 61.493,21.488 59.563,21.488 59.563,20.32 ; 65.126,0.737 71.679,0.737 71.679,1.905 65.126,1.905 65.126,0.737
  text "+" at 1.448,72.468 h0.6 r90
  text "POWER SUPPLY" at 9.171,71.931 h0.6
  text "-" at 1.445,60.657 h0.6 r90
  text "TO BOARD B" at 7.012,43.331 h0.6
  text "PWM" at 7.241,39.219 h0.6 r90
  text "STEP" at 7.241,36.984 h0.6 r90
  text "TEST" at 9.598,35.444 h0.6 r90
  text "ENB1" at 7.241,34.393 h0.6 r90
  text "GND" at 12.575,32.002 h0.6
  text "VDD" at 15.064,32.002 h0.6
  text "fM" at 17.324,32.002 h0.6
  text "OS" at 19.915,32.002 h0.6
  text "ICG" at 22.633,32.002 h0.6
  text "SH" at 24.919,32.002 h0.6
  text "SLP1" at 7.241,31.802 h0.6 r90
  text "0" at 14.48,29.034 h0.6 r90
  text "DIR" at 7.241,28.958 h0.6 r90
  text "BOOT0" at 9.882,27.713 h0.6 r90
  text "<-B->" at 14.505,27.637 h0.6 r90
  text "ENB2" at 7.241,26.824 h0.6 r90
  text "SLP2" at 7.241,24.208 h0.6 r90
  text "1" at 14.505,23.878 h0.6 r90
  text "VDD" at 7.241,21.363 h0.6 r90
  text "SPI" at 61.241,20.649 h0.6
  text "BOOT1" at 56.034,20.623 h0.6
  text "LED" at 17.604,19.966 h0.6 r90
  text "CS2" at 63.019,19.483 h0.6 r90
  text "WUP" at 50.675,19.331 h0.6 r90
  text "GND" at 7.241,18.874 h0.6 r90
  text "0" at 57.202,18.721 h0.6 r90
  text "<-B->" at 57.228,17.426 h0.6 r90
  text "RES1" at 50.675,17.147 h0.6 r90
  text "CS1" at 63.019,16.969 h0.6 r90
  text "AUXILIAR" at 46.103,15.623 h0.6 r90
  text "RES2" at 50.675,14.657 h0.6 r90
  text "CLK" at 62.994,14.505 h0.6 r90
  text "BUTTON" at 10.873,13.667 h0.6 r90
  text "1" at 57.202,13.565 h0.6 r90
  text "I2C" at 3.913,12.775 h0.6
  text "MISO" at 62.994,12.295 h0.6 r90
  text "RES3" at 50.675,12.041 h0.6 r90
  text "GND" at 1.348,11.432 h0.6 r90
  text "MOSI" at 62.994,9.628 h0.6 r90
  text "GND" at 57.152,9.247 h0.6 r90
  text "GND" at 50.675,9.222 h0.6 r90
  text "VDD" at 1.322,8.942 h0.6 r90
  text "UART DATA" at 52.808,8.409 h0.6 r90
  text "GND" at 62.994,6.783 h0.6 r90
  text "SDA" at 1.348,6.504 h0.6 r90
  text "TX" at 57.152,6.428 h0.6 r90
  text "RX" at 57.152,3.888 h0.6 r90
  text "SCL" at 1.348,3.837 h0.6 r90
  text "SWD" at 22.985,2.462 h0.6 r270
  text "USB (UART1)" at 71.426,1.065 h0.6
  text "VDD" at 8.917,0.887 h0.6
  text "SWO" at 11.457,0.887 h0.6
  text "CLK" at 13.972,0.887 h0.6
  text "NRST" at 16.842,0.887 h0.6
  text "IO" at 18.645,0.887 h0.6
  text "GND" at 21.693,0.887 h0.6
Mechanical 1:
  circle w0.254: c51.565,46.735 r25
  circle w0.254: c51.565,46.735 r0.25
  lines w0.254: 38.13,30 cw(c38.13,33.3) 38.13,36.6 ; 38.13,30 80,30 80,36.6 38.13,36.6 ; 38.13,30 38.13,36.6 ; 38.13,56.87 cw(c38.13,60.17) 38.13,63.47 ; 38.13,56.87 80,56.87 80,63.47 38.13,63.47 ; 38.13,56.87 38.13,63.47 ; 0,0 80,0 80,75 0,75 0,0
  lines w0.6: 49.785,46.735 51.565,46.735 ; 51.565,44.58 51.565,46.58 ; 51.565,48.735 51.565,46.735 ; 53.565,46.735 51.565,46.735

## Text inside footprints (layer, text, board x,y; h text height)
C5: Bottom Overlay "+" at 10.549,44.603 h0.6 r90
C9: Bottom Overlay "+" at 20.345,69.62 h0.6 r90
C10: Bottom Overlay "+" at 16.848,60.199 h0.6 r90
CR1: Bottom Overlay "*" at 71.404,25.308 h0.6; Mechanical 13 "*" at 70.183,24.105 h0.6